# Altium PCB UM-64NNP-V1 rev 0.18_norail.PcbDoc (part 1 of 5) (continued)
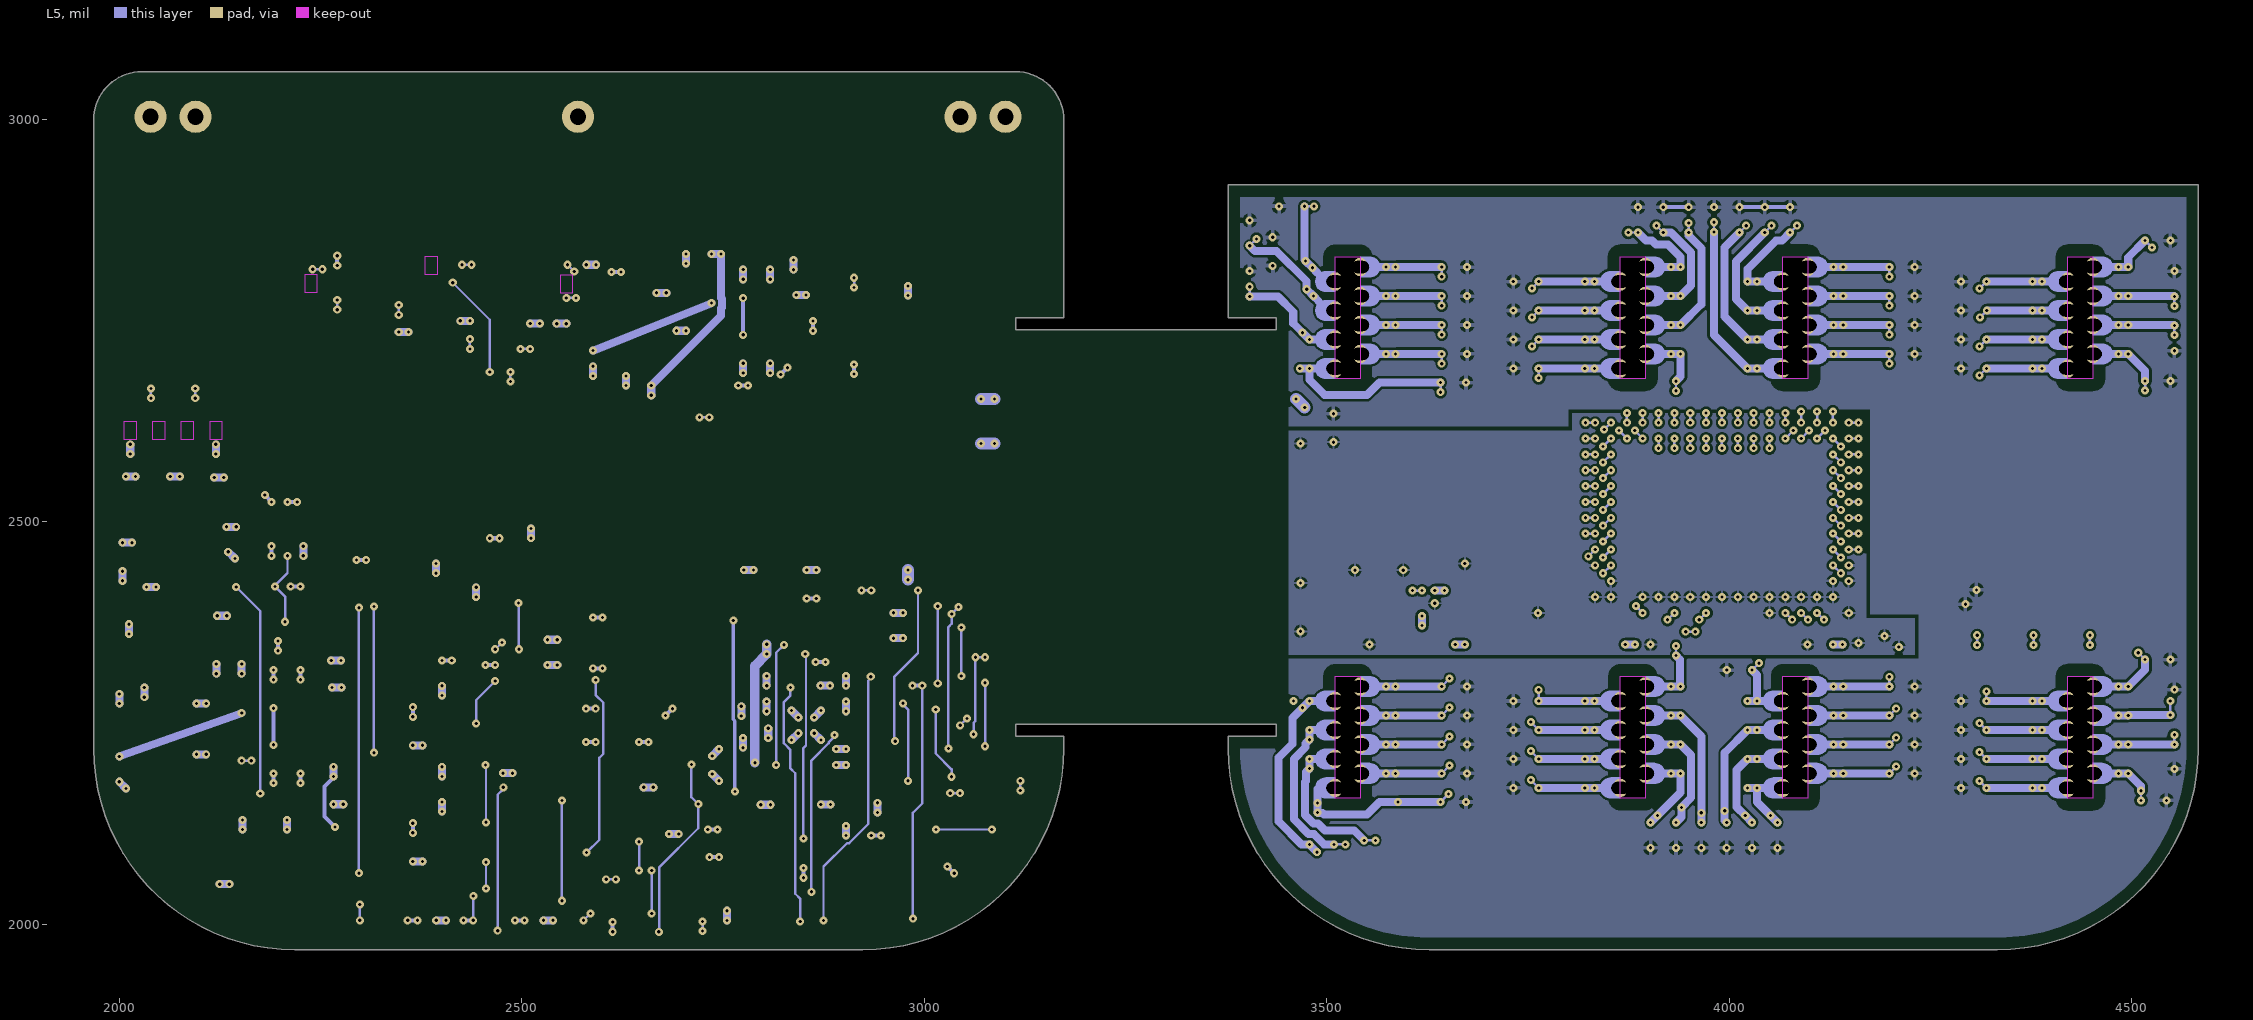
[diagram p5: L5]
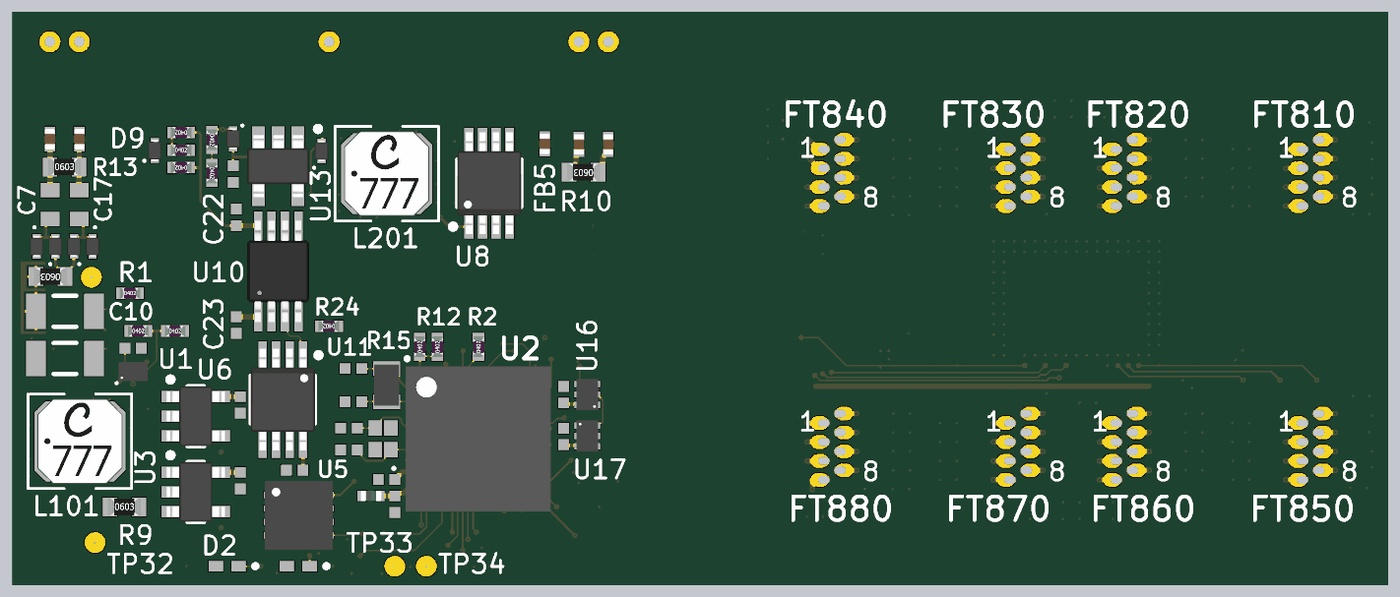
[diagram p10: 3D render of the assembled board from above, using the file's embedded part models]
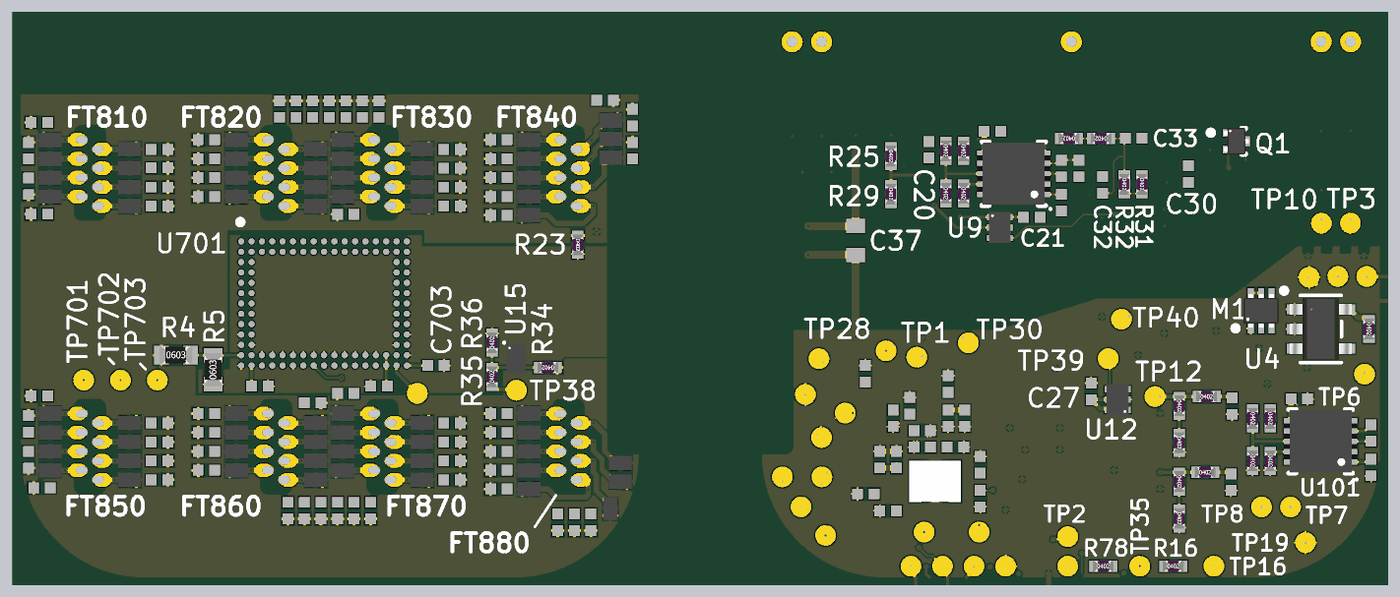
[diagram p11: 3D render of the assembled board from below, using the file's embedded part models]

## Layer stack, top to bottom
Rigid Top Solder: solder mask 1.5, FC-001, Dk 4
Rigid Top Solder: solder mask 0.7, SM-001, Dk 4
L1: signal copper 1.1
Dielectric 1: prepreg 2.1, TU-768, Dk 4.1
L2: signal copper 1
Dielectric 2: prepreg 3.7, PP-006, Dk 4.1
L3: signal copper 1.3
Polyimide Core: core 2, PI, Dk 4.1
L4: signal copper 1.3
Dielectric 3: prepreg 3.7, PP-006, Dk 4.1
L5: signal copper 1
Dielectric 4: prepreg 2.1, TU-768, Dk 4.1
L6: signal copper 1.1
Flex Bottom Coverlay + Adhesive: solder mask 0.7, SM-001, Dk 4
Flex Bottom Coverlay + Adhesive: solder mask 1.5, FC-001, Dk 4

## Board outline
1968.5,2218.5 ccw(c2218.5,2218.5) 2218.5,1968.5 2923.5,1968.5 ccw(c2923.5,2218.5) 3173.51,2218.5 3173.51,2233.5 3113.51,2233.51 3113.51,2248.5 3437.5,2248.5 3437.5,2233.51 3377.5,2233.51 3377.5,2218.5 ccw(c3627.5,2218.5) 3627.5,1968.5 4332.5,1968.5 ccw(c4332.5,2218.5) 4582.51,2218.5 4582.51,2918.5 3377.5,2918.51 3377.5,2753.5 3437.5,2753.5 3437.5,2738.51 3113.51,2738.51 3113.51,2753.5 3173.5,2753.5 3173.51,2858.5 3173.51,2999.13 ccw(c3113.5,2999.13) 3113.5,3059.13 3074.14,3059.13 2916.66,3059.14 2225.36,3059.13 2067.88,3059.14 2028.5,3059.13 ccw(c2028.5,2999.14) 1968.5,2999.14 1968.5,2858.51
board region "Layer Stack Region 1": 3377.5,2218.5 3377.5,2233.5 3437.5,2233.5 3437.5,2753.5 3377.5,2753.5 3377.5,2918.5 4582.5,2918.5 4582.5,2218.5 4582.5,2206.22 4580.1,2181.78 4575.3,2157.69 4568.17,2134.18 4558.77,2111.49 4547.19,2089.82 4533.55,2069.4 4517.97,2050.41 4500.6,2033.04 4481.61,2017.46 4461.18,2003.81 4439.52,1992.23 4416.83,1982.83 4393.32,1975.7 4369.23,1970.91 4344.79,1968.5 4332.5,1968.5 3627.5,1968.5 3615.22,1968.5 3590.78,1970.91 3566.69,1975.7 3543.18,1982.83 3520.49,1992.23 3498.82,2003.81 3478.4,2017.46 3459.41,2033.04 3442.04,2050.41 3426.46,2069.4 3412.81,2089.82 3401.23,2111.49 3391.83,2134.18 3384.7,2157.69 3379.91,2181.78 3377.5,2206.22
board region "Layer Stack Region 3": 1968.5,2218.5 1968.5,2206.22 1970.91,2181.78 1975.7,2157.69 1982.83,2134.18 1992.23,2111.49 2003.81,2089.82 2017.46,2069.4 2033.04,2050.41 2050.41,2033.04 2069.4,2017.46 2089.82,2003.81 2111.49,1992.23 2134.18,1982.83 2157.69,1975.7 2181.78,1970.91 2206.22,1968.5 2218.5,1968.5 2923.5,1968.5 2935.79,1968.5 2960.23,1970.91 2984.32,1975.7 3007.83,1982.83 3030.52,1992.23 3052.18,2003.81 3072.61,2017.46 3091.6,2033.04 3108.97,2050.41 3124.55,2069.4 3138.19,2089.82 3149.77,2111.49 3159.17,2134.18 3166.3,2157.69 3171.1,2181.78 3173.5,2206.22 3173.5,2218.5 3173.5,2233.5 3113.5,2233.5 3113.5,2753.5 3173.5,2753.5 3173.5,2858.5 1968.5,2858.5
board region "Layer Stack Region 8": 1968.5,2858.51 3173.5,2858.5 3173.5,2999.13 3173.5,3005.04 3171.2,3016.64 3166.68,3027.55 3160.11,3037.38 3151.75,3045.74 3141.92,3052.31 3131.01,3056.83 3119.41,3059.13 3113.5,3059.13 3074.14,3059.13 2916.66,3059.14 2225.36,3059.13 2067.88,3059.14 2028.5,3059.13 2022.59,3059.13 2011,3056.83 2000.08,3052.31 1990.26,3045.74 1981.9,3037.38 1975.33,3027.56 1970.81,3016.64 1968.5,3005.04 1968.5,2999.14
board region "Layer Stack Region 2": 3113.5,2248.5 3437.5,2248.5 3437.5,2738.5 3113.5,2738.5

## Design rules (kind name [scope] priority, off if disabled: settings)
AcuteAngle [All] p1: minimum=6.00000000000000E+0001 checktracksonly=FALSE
AssemblyTestPointUsage [All] p1 off:
AssemblyTestpoint [All] p1 off: testpointundercomponent=TRUE minsize=40 maxsize=100 preferedsize=60 minholesize=0 maxholesize=40 preferedholesize=32 testpointgrid=1 usegrid=TRUE gridtolerance=0.01 allowsidetop=TRUE allowsidebottom=TRUE
BoardOutlineClearance [not (OnLayer('Top Overlay') or OnLayer('Bottom Overlay'))] p1: gap=15 ignorepadtopadclearanceinfootprint=FALSE except(0: Arc-SplitContinuation Track-SplitContinuation SMDPad-CutoutEdge SMDPad-SplitContinuation THPad-CutoutEdge THPad-SplitContinuation Via-SplitContinuation Fill-SplitContinuation Region-SplitContinuation Text-SplitContinuation; 10: Arc-SplitBarrior Track-SplitBarrior SMDPad-SplitBarrior THPad-SplitBarrior Via-SplitBarrior Fill-SplitBarrior Poly-SplitBarrior Region-SplitBarrior Text-SplitBarrior)
Clearance [All] p1: gap=3 ignorepadtopadclearanceinfootprint=FALSE
ComponentClearance [All] p1 off: gap=10 collisioncheckmode=3 verticalgap=10 showdistances=FALSE
DiffPairsRouting [All] p1 off: maxlimit=10 minlimit=10 mostfreqgap=10 substack1={7BD9D4D3-184E-4633-84CD-8BC0AC536560} toplayer_{7bd9d4d3-184e-4633-84cd-8bc0ac536560}_minwidth=15 toplayer_{7bd9d4d3-184e-4633-84cd-8bc0ac536560}_maxwidth=15 toplayer_{7bd9d4d3-184e-4633-84cd-8bc0ac536560}_prefwidth=15 midlayer1_{7bd9d4d3-184e-4633-84cd-8bc0ac536560}_minwidth=15 midlayer1_{7bd9d4d3-184e-4633-84cd-8bc0ac536560}_maxwidth=15 midlayer1_{7bd9d4d3-184e-4633-84cd-8bc0ac536560}_prefwidth=15 midlayer2_{7bd9d4d3-184e-4633-84cd-8bc0ac536560}_minwidth=15 midlayer2_{7bd9d4d3-184e-4633-84cd-8bc0ac536560}_maxwidth=15 midlayer2_{7bd9d4d3-184e-4633-84cd-8bc0ac536560}_prefwidth=15 midlayer3_{7bd9d4d3-184e-4633-84cd-8bc0ac536560}_minwidth=15 midlayer3_{7bd9d4d3-184e-4633-84cd-8bc0ac536560}_maxwidth=15 midlayer3_{7bd9d4d3-184e-4633-84cd-8bc0ac536560}_prefwidth=15 midlayer4_{7bd9d4d3-184e-4633-84cd-8bc0ac536560}_minwidth=15 midlayer4_{7bd9d4d3-184e-4633-84cd-8bc0ac536560}_maxwidth=15 midlayer4_{7bd9d4d3-184e-4633-84cd-8bc0ac536560}_prefwidth=15 bottomlayer_{7bd9d4d3-184e-4633-84cd-8bc0ac536560}_minwidth=15 bottomlayer_{7bd9d4d3-184e-4633-84cd-8bc0ac536560}_maxwidth=15 bottomlayer_{7bd9d4d3-184e-4633-84cd-8bc0ac536560}_prefwidth=15 toplayer_minwidth=15 toplayer_maxwidth=15 toplayer_prefwidth=15 midlayer1_minwidth=15 midlayer1_maxwidth=15 midlayer1_prefwidth=15 midlayer2_minwidth=15 midlayer2_maxwidth=15 midlayer2_prefwidth=15 midlayer3_minwidth=15 midlayer3_maxwidth=15 midlayer3_prefwidth=15 midlayer4_minwidth=15 midlayer4_maxwidth=15 midlayer4_prefwidth=15 bottomlayer_minwidth=15 bottomlayer_maxwidth=15 bottomlayer_prefwidth=15 maxuncoupledlength=500
FabricationTestPointUsage [All] p1 off: valid=0 allowmultiple=FALSE
FabricationTestpoint [All] p1 off: side=3 testpointundercomponent=TRUE minsize=40 maxsize=100 preferedsize=60 minholesize=0 maxholesize=40 preferedholesize=32 testpointgrid=1 allowsidetop=TRUE allowsidebottom=TRUE usegrid=TRUE gridtolerance=0.01
FanoutControl Fanout_BGA [IsBGA] p1 off: bgadir=Out bgaviamode=Centered fanoutstyle=Auto fanoutdirection=Alternating viagrid=1 // Fanout_BGA (Default Rule)
FanoutControl Fanout_LCC [IsLCC] p2 off: bgadir=Out bgaviamode=Centered fanoutstyle=Auto fanoutdirection=Alternating viagrid=1 // Fanout_LCC (Default Rule)
FanoutControl Fanout_SOIC [IsSOIC] p3 off: bgadir=Out bgaviamode=Centered fanoutstyle=Auto fanoutdirection=Alternating viagrid=1 // Fanout_SOIC (Default Rule)
FanoutControl Fanout_Small [(CompPinCount < 5)] p4 off: bgadir=Out bgaviamode=Centered fanoutstyle=Auto fanoutdirection=OutThenIn viagrid=1 // Fanout_Small (Default Rule)
FanoutControl Fanout_Default [All] p5 off: bgadir=Out bgaviamode=Centered fanoutstyle=Auto fanoutdirection=Alternating viagrid=1 // Fanout_Default (Default Rule)
Height [All] p1 off: minheight=0 maxheight=1000 prefheight=500
HoleSize [All] p1: absolutevalues=TRUE maxlimit=150 minlimit=1 maxpercent=80.000 minpercent=20.000
HoleToHoleClearance [All] p1: gap=8 allowstackedmicrovias=FALSE
MinimumSolderMaskSliver [All] p1: minsoldermaskwidth=3
PolygonConnect PolygonConnect_ENCL [InNet('ENCL')] p1: connectstyle=Relief reliefconductorwidth=5 reliefentries=4 polygonreliefangle="90 Angle" airgapwidth=4
PolygonConnect PolygonConnect_GND [InNet('GND')] p2: connectstyle=Relief reliefconductorwidth=3 reliefentries=4 polygonreliefangle="90 Angle" airgapwidth=3
PolygonConnect [All] p3: connectstyle=Relief reliefconductorwidth=5 reliefentries=4 polygonreliefangle="90 Angle" airgapwidth=5
RoomDefinition FLEXBEND_SIGNAL [False vs False] p1: confinementstyle=ConfineIn formatcopy=TRUE lockcomponents=FALSE outline 3093.5,2455 3457.5,2455 3457.5,2248.5 3093.5,2248.5
RoutingVias [All] p1: holewidth=28 width=50 viastyle="Through Hole" minholewidth=28 minwidth=50 maxholewidth=28 maxwidth=50 useviatemplates=TRUE viatemplateguid#1={2B30BB81-6B98-453E-A6A9-96AF92B805F3} viatemplatename#1=4/10_TENTED
ShortCircuit ShortCircuit_FT [Ispad vs IsBoardCutoutRegion] p1: allowed=TRUE
ShortCircuit [All] p2: allowed=FALSE
SilkToSilkClearance [All] p1: silktosilkclearance=2
SilkToSolderMaskClearance [IsPad] p1: minsilkscreentomaskgap=5 clearancetoexposedcopper=TRUE
SolderMaskExpansion [All] p1: expansion=2 istentingtop=FALSE
Width Width_Flex [WithinRoom('FLEXBEND_SIGNAL') and OnLayer('L4')] p1: maxlimit=15 minlimit=7 preferedwidth=7 substack1={7BD9D4D3-184E-4633-84CD-8BC0AC536560}
Width Width_RAIL [WithinRoom('RAIL')] p2: maxlimit=100 minlimit=5 preferedwidth=5 substack1={7BD9D4D3-184E-4633-84CD-8BC0AC536560}
Width [All] p3: maxlimit=20 minlimit=3 preferedwidth=3 substack1={7BD9D4D3-184E-4633-84CD-8BC0AC536560}
12 further rules are at their usual default settings.

## Components (designator, comment, footprint, x,y, rotation, side; value= is the part's Value field where it differs from the comment)
C1 "0.1uF 16V 0402" CAP0402_L 2743.32,2133.69 r90 bottom value=0.1uF
C2 "8.0pF" CAP0402_L 2607.73,2226.53 r180 top
C3 "8.0pF" CAP0402_L 2607.73,2267.94 r180 top
C4 "4.7uF" CAP0402_L 2804.35,2351.61 r90 bottom
C5 "10nF" CAP0402_L 2197.43,2419.81 r0 top
C6 "10uF 10V 0402" CAP0402_L 2918.52,2110.42 r0 bottom value=10uF
C7 "0.1uF" CAP0603_L 2039.54,2693.13 r270 top
C8 "0.1uF 16V 0402" CAP0402_L 2961.83,2371.29 r90 bottom value=0.1uF
C9 "0.1uF 16V 0402" CAP0402_L 2877.27,2310.27 r90 bottom value=0.1uF
C10 "47uF 25V" CAP1206_L 2067.76,2490.33 r0 top value=47uF
C11 "47uF 25V" CAP1206_L 2067.76,2400.52 r0 top value=47uF
C12 "0.1uF 16V 0402" CAP0402_L 2853.56,2263.02 r180 bottom value=0.1uF
C13 "1uF" CAP0402_L 2266.49,2165.01 r270 bottom
C14 "1uF" CAP0402_L 2401.26,2167.97 r270 top
C15 "5.6pF 50V 0402" CAP0402_L 2616.35,2318.14 r0 top value=5.6pF
C16 "0.1uF 16V 0402" CAP0402_L 2853.56,2231.53 r0 bottom value=0.1uF
C17 "0.1uF" CAP0603_L 2094.66,2693.13 r270 top
C18 "1uF" CAP0402_L 2264.44,2309.93 r270 bottom
C19 "1uF" CAP0402_L 2401.26,2312.07 r270 top
C20 "0.1uF 16V 0402" CAP0402_L 2841.19,2797.54 r90 bottom value=0.1uF
C21 "0.1uF 16V 0402" CAP0402_L 2645.25,2669.19 r0 bottom value=0.1uF
C22 "0.1uF 16V 0402" CAP0402_L 2393.52,2668.72 r270 top value=0.1uF
C23 "0.1uF 16V 0402" CAP0402_L 2393.52,2463.99 r90 top value=0.1uF
C24 "0.1uF 16V 0402" CAP0402_L 2679.35,2170.31 r180 top value=0.1uF
C25 "0.1uF 16V 0402" CAP0402_L 2790.57,2231.53 r180 bottom value=0.1uF
C26 "0.1uF 16V 0402" CAP0402_L 2504.6,2187.82 r0 top value=0.1uF
C27 "0.1uF 16V 0402" CAP0402_L 2532.24,2337.82 r270 bottom value=0.1uF
C28 "4.7uF" CAP0402_L 2772.85,2286.64 r270 bottom
C29 "1uF" CAP0402_L 2555.56,2761.87 r270 bottom
C30 "68pF" CAP0402_L 2347.39,2751.44 r270 bottom
C31 "1uF" CAP0402_L 2387.74,2751.47 r270 top
C32 "1uF" CAP0402_L 2510.65,2730.61 r90 bottom
C33 "10nF" CAP0402_L 2451.59,2819.35 r180 bottom
C34 "0.1uF 16V 0402" CAP0402_L 2804.35,2286.64 r270 bottom value=0.1uF
C35 "0.1uF 16V 0402" CAP0402_L 2908.77,2286.64 r270 bottom value=0.1uF
C36 "4.7uF" CAP0402_L 2695.09,2123.06 r270 top
C37 "GCM1885C2A681JA16D" CAP0603_L 2980,2625 r90 bottom value=680pF
C38 "5.6pF 50V 0402" CAP0402_L 2616.35,2381.13 r0 top value=5.6pF
C39 "0.1uF 16V 0402" CAP0402_L 2743.32,2198.06 r90 bottom value=0.1uF
C40 "4.7uF" CAP0402_L 2934.27,2207.9 r90 bottom
C41 "0.1uF 16V 0402" CAP0402_L 3015.63,2331.41 r270 top value=0.1uF
C42 "0.1uF 16V 0402" CAP0402_L 3015.63,2251.99 r270 top value=0.1uF
C43 "0.1uF 16V 0402" CAP0402_L 2902.77,2207.9 r90 bottom value=0.1uF
C44 "4.7uF" CAP0402_L 2960.9,2142.53 r0 bottom
C101 "1uF" CAP0402_L 2000.33,2258.49 r270 bottom
C102 "4.7uF" CAP0402_L 2000.33,2192.94 r270 bottom
C103 "10uF 10V 0402" CAP0402_L 2136.57,2323.46 r180 bottom value=10uF
C201 "1uF" CAP0402_L 2588.83,2761.87 r270 bottom
C202 "1uF" CAP0402_L 2588.83,2696.91 r270 bottom
C203 "1uF" CAP0402_L 2720.05,2832.74 r180 bottom
C701 "0.1uF 16V 0402" CAP0402_L 3886.52,2347.61 r180 bottom value=0.1uF
C702 "0.1uF 16V 0402" CAP0402_L 4112.9,2347.63 r0 bottom value=0.1uF
C703 "10nF" CAP0402_L 3778.25,2386.96 r180 bottom
C811 "680pF 100V 0402" CAP0402_L 4303.51,2798.5 r0 bottom value=680pF
C812 "680pF 100V 0402" CAP0402_L 4303.51,2763.07 r0 bottom value=680pF
C813 "680pF 100V 0402" CAP0402_L 4303.51,2726.5 r0 bottom value=680pF
C814 "680pF 100V 0402" CAP0402_L 4303.51,2690.5 r0 bottom value=680pF
C815 "680pF 100V 0402" CAP0402_L 4532.09,2849.4 r180 bottom value=680pF
C816 "680pF 100V 0402" CAP0402_L 4552.75,2795.69 r270 bottom value=680pF
C817 "680pF 100V 0402" CAP0402_L 4552.75,2728.19 r90 bottom value=680pF
C818 "680pF 100V 0402" CAP0402_L 4532.09,2675.04 r180 bottom value=680pF
C821 "680pF 100V 0402" CAP0402_L 4075.49,2875.1 r270 bottom value=680pF
C822 "680pF 100V 0402" CAP0402_L 4044,2875.1 r270 bottom value=680pF
C823 "680pF 100V 0402" CAP0402_L 4012.5,2875.1 r270 bottom value=680pF
C824 "680pF 100V 0402" CAP0402_L 3981,2875.1 r270 bottom value=680pF
C825 "680pF 100V 0402" CAP0402_L 4214.5,2816.5 r180 bottom value=680pF
C826 "680pF 100V 0402" CAP0402_L 4214.5,2780.5 r180 bottom value=680pF
C827 "680pF 100V 0402" CAP0402_L 4214.5,2744.5 r180 bottom value=680pF
C828 "680pF 100V 0402" CAP0402_L 4214.5,2708.5 r180 bottom value=680pF
C831 "680pF 100V 0402" CAP0402_L 3747.51,2798.5 r0 bottom value=680pF
C832 "680pF 100V 0402" CAP0402_L 3747.51,2762.5 r0 bottom value=680pF
C833 "680pF 100V 0402" CAP0402_L 3747.51,2726.5 r0 bottom value=680pF
C834 "680pF 100V 0402" CAP0402_L 3747.51,2690.5 r0 bottom value=680pF
C835 "680pF 100V 0402" CAP0402_L 3886.52,2875.1 r270 bottom value=680pF
C836 "680pF 100V 0402" CAP0402_L 3918.01,2875.1 r270 bottom value=680pF
C837 "680pF 100V 0402" CAP0402_L 3949.51,2875.1 r270 bottom value=680pF
C838 "680pF 100V 0402" CAP0402_L 3949.51,2674.76 r180 bottom value=680pF
C841 "680pF 100V 0402" CAP0402_L 3456.5,2891.94 r0 bottom value=680pF
C842 "680pF 100V 0402" CAP0402_L 3404.26,2858.74 r270 bottom value=680pF
C843 "680pF 100V 0402" CAP0402_L 3404.26,2795.75 r270 bottom value=680pF
C844 "680pF 100V 0402" CAP0402_L 3658.5,2673.07 r180 bottom value=680pF
C845 "680pF 100V 0402" CAP0402_L 3658.5,2816.5 r180 bottom value=680pF
C846 "680pF 100V 0402" CAP0402_L 3658.5,2780.5 r180 bottom value=680pF
C847 "680pF 100V 0402" CAP0402_L 3658.5,2744.5 r180 bottom value=680pF
C848 "680pF 100V 0402" CAP0402_L 3658.5,2708.5 r180 bottom value=680pF
C851 "680pF 100V 0402" CAP0402_L 4303.51,2277.5 r0 bottom value=680pF
C852 "680pF 100V 0402" CAP0402_L 4303.51,2241.5 r0 bottom value=680pF
C853 "680pF 100V 0402" CAP0402_L 4303.51,2205.5 r0 bottom value=680pF
C854 "680pF 100V 0402" CAP0402_L 4303.51,2169.5 r0 bottom value=680pF
C855 "680pF 100V 0402" CAP0402_L 4532.09,2328.97 r180 bottom value=680pF
C856 "680pF 100V 0402" CAP0402_L 4552.75,2275.82 r270 bottom value=680pF
C857 "680pF 100V 0402" CAP0402_L 4552.75,2207.76 r90 bottom value=680pF
C858 "680pF 100V 0402" CAP0402_L 4527.09,2154.04 r180 bottom value=680pF
C861 "680pF 100V 0402" CAP0402_L 4012.52,2315.97 r0 bottom value=680pF
C862 "680pF 100V 0402" CAP0402_L 3996.75,2110.9 r90 bottom value=680pF
C863 "680pF 100V 0402" CAP0402_L 4028.25,2110.9 r90 bottom value=680pF
C864 "680pF 100V 0402" CAP0402_L 4059.74,2110.9 r90 bottom value=680pF
C865 "680pF 100V 0402" CAP0402_L 4214.5,2295.5 r180 bottom value=680pF
C866 "680pF 100V 0402" CAP0402_L 4214.5,2259.5 r180 bottom value=680pF
C867 "680pF 100V 0402" CAP0402_L 4214.5,2223.5 r180 bottom value=680pF
C868 "680pF 100V 0402" CAP0402_L 4214.5,2187.5 r180 bottom value=680pF
C871 "680pF 100V 0402" CAP0402_L 3747.51,2277.5 r0 bottom value=680pF
C872 "680pF 100V 0402" CAP0402_L 3747.51,2241.5 r0 bottom value=680pF
C873 "680pF 100V 0402" CAP0402_L 3747.51,2205.5 r0 bottom value=680pF
C874 "680pF 100V 0402" CAP0402_L 3747.51,2169.5 r0 bottom value=680pF
C875 "680pF 100V 0402" CAP0402_L 3949.51,2333.97 r180 bottom value=680pF
C876 "680pF 100V 0402" CAP0402_L 3965.26,2110.9 r90 bottom value=680pF
C877 "680pF 100V 0402" CAP0402_L 3933.76,2110.9 r90 bottom value=680pF
C878 "680pF 100V 0402" CAP0402_L 3902.26,2110.9 r90 bottom value=680pF
C881 "680pF 100V 0402" CAP0402_L 3483.51,2088.62 r90 bottom value=680pF
C882 "680pF 100V 0402" CAP0402_L 3515.01,2088.62 r90 bottom value=680pF
C883 "680pF 100V 0402" CAP0402_L 3546.5,2088.62 r90 bottom value=680pF
C884 "680pF 100V 0402" CAP0402_L 3658.5,2152.07 r180 bottom value=680pF
C885 "680pF 100V 0402" CAP0402_L 3658.5,2295.5 r180 bottom value=680pF
C886 "680pF 100V 0402" CAP0402_L 3658.5,2259.5 r180 bottom value=680pF
C887 "680pF 100V 0402" CAP0402_L 3658.5,2223.5 r180 bottom value=680pF
C888 "680pF 100V 0402" CAP0402_L 3658.5,2187.5 r180 bottom value=680pF
D1 "LED GRN" LED0402_L 2511.31,2005.11 r0 top value=45mcd
D2 "LED BLUE" LED0402_L 2376.26,2005.11 r0 top
D5 "1SS416,L3M" TOSHIBA_SOD-923 2049.38,2613.5 r90 top
D6 "1SS416,L3M" TOSHIBA_SOD-923 2084.82,2613.5 r90 top
D7 "1SS416,L3M" TOSHIBA_SOD-923 2013.95,2613.5 r270 top
D8 "1SS416,L3M" TOSHIBA_SOD-923 2120.25,2613.5 r270 top
D9 "1SS416,L3M" TOSHIBA_SOD-923 2238.52,2796.22 r90 top
D11 "1SS416,L3M" TOSHIBA_SOD-923 2555.56,2795.34 r90 top
D12 "1SS416,L3M" TOSHIBA_SOD-923 2387.74,2818.4 r270 top
D811 "SP3022-01ETG" LITTELFUSE_SOD882 4360.59,2798.5 r180 bottom value=SP3022
D812 "SP3022-01ETG" LITTELFUSE_SOD882 4360.59,2762.5 r180 bottom value=SP3022
D813 "SP3022-01ETG" LITTELFUSE_SOD882 4360.59,2726.5 r180 bottom value=SP3022
D814 "SP3022-01ETG" LITTELFUSE_SOD882 4360.59,2690.5 r180 bottom value=SP3022
D815 "SP3022-01ETG" LITTELFUSE_SOD882 4511.41,2815.94 r0 bottom value=SP3022
D816 "SP3022-01ETG" LITTELFUSE_SOD882 4511.41,2780.5 r0 bottom value=SP3022
D817 "SP3022-01ETG" LITTELFUSE_SOD882 4511.41,2744.5 r0 bottom value=SP3022
D818 "SP3022-01ETG" LITTELFUSE_SOD882 4511.41,2708.5 r0 bottom value=SP3022
D821 "SP3022-01ETG" LITTELFUSE_SOD882 4006.59,2798.5 r180 bottom value=SP3022
D822 "SP3022-01ETG" LITTELFUSE_SOD882 4006.59,2762.5 r180 bottom value=SP3022
D823 "SP3022-01ETG" LITTELFUSE_SOD882 4006.59,2726.5 r180 bottom value=SP3022
D824 "SP3022-01ETG" LITTELFUSE_SOD882 4006.59,2690.5 r180 bottom value=SP3022
D825 "SP3022-01ETG" LITTELFUSE_SOD882 4157.41,2816.5 r0 bottom value=SP3022
D826 "SP3022-01ETG" LITTELFUSE_SOD882 4157.41,2780.5 r0 bottom value=SP3022
D827 "SP3022-01ETG" LITTELFUSE_SOD882 4157.41,2744.5 r0 bottom value=SP3022
D828 "SP3022-01ETG" LITTELFUSE_SOD882 4157.41,2708.5 r0 bottom value=SP3022
D831 "SP3022-01ETG" LITTELFUSE_SOD882 3804.59,2798.5 r180 bottom value=SP3022
D832 "SP3022-01ETG" LITTELFUSE_SOD882 3804.59,2762.5 r180 bottom value=SP3022
D833 "SP3022-01ETG" LITTELFUSE_SOD882 3804.59,2726.5 r180 bottom value=SP3022
D834 "SP3022-01ETG" LITTELFUSE_SOD882 3804.59,2690.5 r180 bottom value=SP3022
D835 "SP3022-01ETG" LITTELFUSE_SOD882 3955.41,2816.5 r0 bottom value=SP3022
D836 "SP3022-01ETG" LITTELFUSE_SOD882 3955.41,2780.5 r0 bottom value=SP3022
D837 "SP3022-01ETG" LITTELFUSE_SOD882 3955.41,2744.5 r0 bottom value=SP3022
D838 "SP3022-01ETG" LITTELFUSE_SOD882 3955.41,2708.5 r0 bottom value=SP3022
D841 "SP3022-01ETG" LITTELFUSE_SOD882 3445.59,2853.47 r180 bottom value=SP3022
D842 "SP3022-01ETG" LITTELFUSE_SOD882 3445.59,2818.04 r180 bottom value=SP3022
D843 "SP3022-01ETG" LITTELFUSE_SOD882 3445.59,2782.61 r180 bottom value=SP3022
D844 "SP3022-01ETG" LITTELFUSE_SOD882 3601.41,2673.07 r0 bottom value=SP3022
D845 "SP3022-01ETG" LITTELFUSE_SOD882 3601.41,2816.5 r0 bottom value=SP3022
D846 "SP3022-01ETG" LITTELFUSE_SOD882 3601.41,2780.5 r0 bottom value=SP3022
D847 "SP3022-01ETG" LITTELFUSE_SOD882 3601.41,2744.5 r0 bottom value=SP3022